# KiCad board default.kicad_pcb
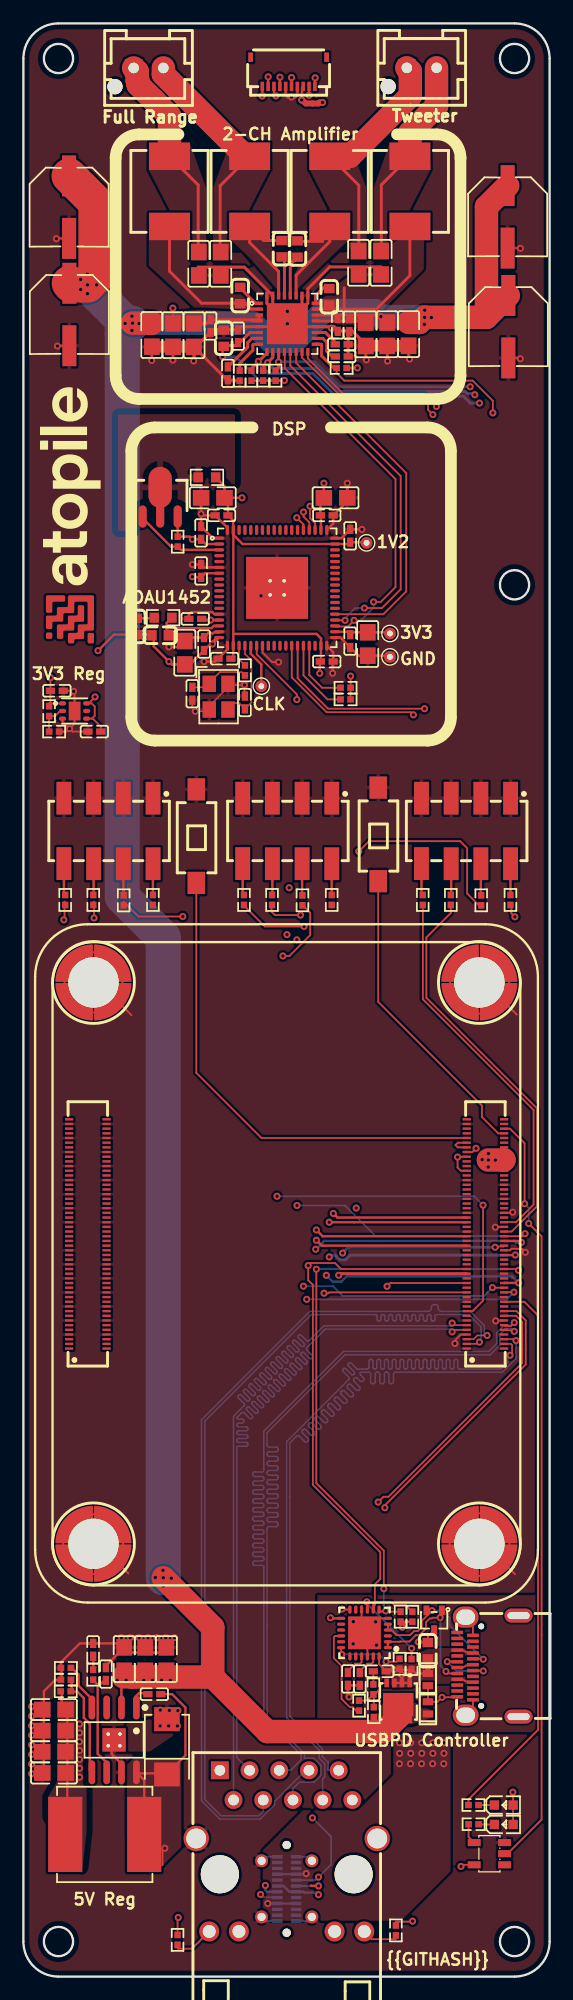
[diagram p0: board, top side]
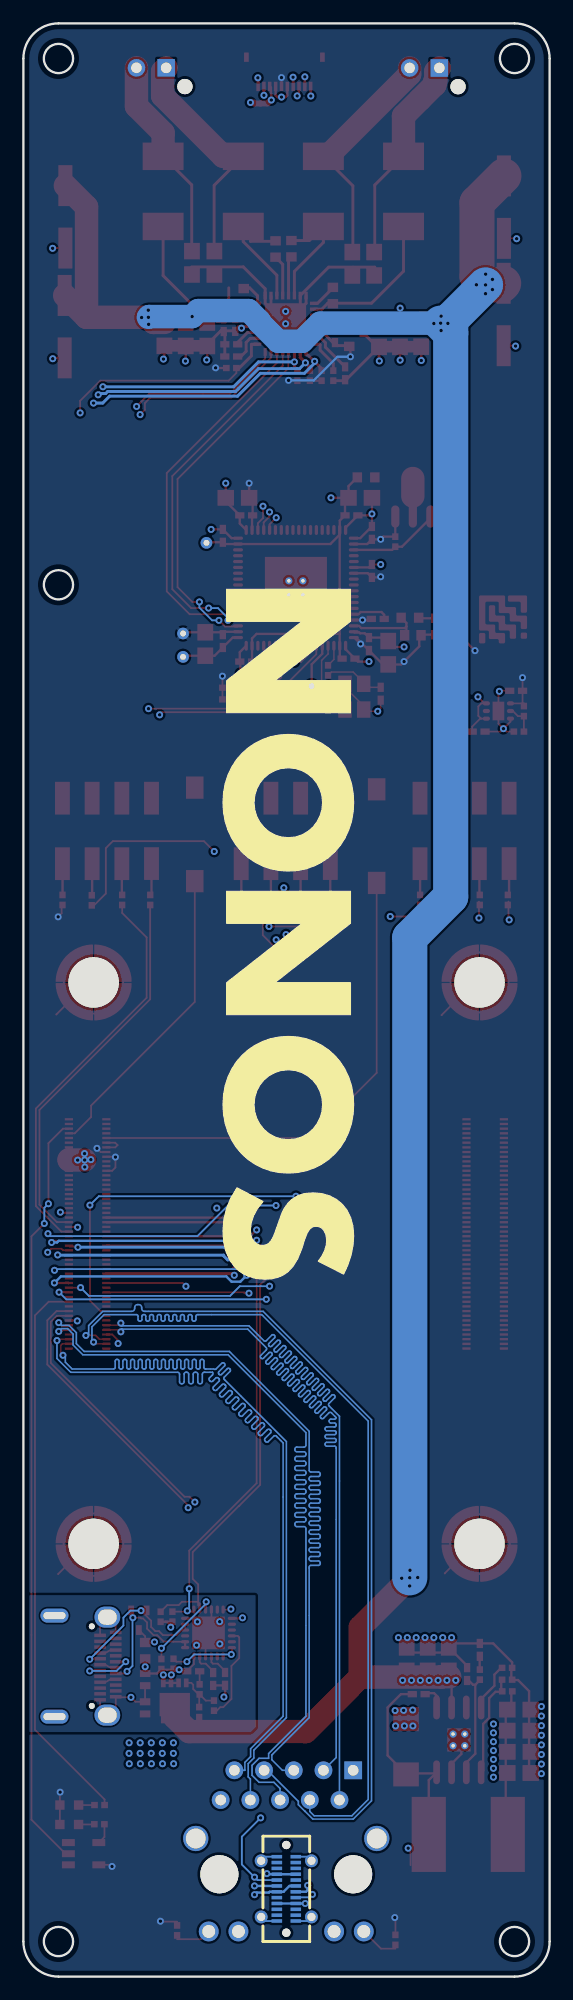
[diagram p1: board, bottom side, seen from below]

Outline 45 x 167 mm; copper layers: Top, In1.Cu, In2.Cu, Bottom. Coordinates in mm from the lower left corner of the outline.
Outline path: circle c3,164 r1.25 ; circle c3,3 r1.25 ; circle c42,164 r1.25 ; circle c42,119 r1.25 ; circle c42,3 r1.25 ; 0,164 0,3 arc(0.88,0.88) 3,0 42,0 arc(44.12,0.88) 45,3 45,164 arc(44.12,166.12) 42,167 3,167 arc(0.88,166.12) 0,164
Stack: Top 0.035mm / dielectric 0.1mm FR4 er 4.5 / In1.Cu 0.035mm / dielectric 1.24mm FR4 er 4.5 / In2.Cu 0.035mm / dielectric 0.1mm FR4 er 4.5 / Bottom 0.035mm

## Placement (name value [footprint] x y rotation side)
C1  1µF ±10% 25V X5R  [C0402]  27.22 139.56 0 top
C2  4.7µF ±10% 16V X5R  [C0603]  17.13 140.08 90 top
C3  100nF ±10% 16V X7R  [C0402]  18.36 140.26 90 top
C4  1µF ±10% 25V X5R  [C0402]  27.23 138.52 0 top
C5  470nF ±10% 50V X7R  [C0603]  22.08 147.73 90 top
C6  470nF ±10% 50V X7R  [C0603]  18.54 143.73 270 top
C7  680nF ±10% 50V X7R  [C0805]  16.87 146.45 270 top
C8  680nF ±10% 50V X7R  [C0805]  15 146.45 270 top
C9  470nF ±10% 50V X7R  [C0603]  23.44 147.71 90 top
C10  470nF ±10% 50V X7R  [C0603]  26.16 143.63 270 top
C11  680nF ±10% 50V X7R  [C0805]  28.67 146.53 270 top
C12  680nF ±10% 50V X7R  [C0805]  30.59 146.53 270 top
C13  10µF ±10% 25V X5R  [C0805]  12.8 140.35 270 top
C14  10µF ±10% 25V X5R  [C0805]  14.59 140.34 270 top
C15  10µF ±10% 25V X5R  [C0805]  29.27 140.42 270 top
C16  10µF ±10% 25V X5R  [C0805]  10.98 140.36 270 top
C17  10µF ±10% 25V X5R  [C0805]  31.12 140.42 270 top
C18  10µF ±10% 25V X5R  [C0805]  32.94 140.43 270 top
C19  1µF ±10% 25V X5R  [C0402]  17.49 137.09 270 top
C20  100nF ±10% 50V X7R  [C0402]  11.19 24.15 0 top
C21  1µF ±10% 25V X5R  [C0402]  6.07 106.45 180 top
C22  1µF ±10% 25V X5R  [C0402]  2.86 109.94 0 top
C23  4.7nF ±5% 50V X7R  [C0402]  5.96 27.94 90 top
C24  20pF ±5% 50V C0G  [C0402]  7.05 25.87 90 top
C25  10µF ±10% 50V X5R  [C0805]  12.22 27.15 90 top
C26  10µF ±10% 50V X5R  [C0805]  10.42 27.15 90 top
C27  10µF ±10% 50V X5R  [C0805]  8.62 27.15 90 top
C28  22µF ±20% 25V X5R  [C0805]  2.61 17.41 180 top
C29  22µF ±20% 25V X5R  [C0805]  2.61 19.22 180 top
C30  4.7µF ±10% 35V X5R  [C0603]  34.58 27.86 270 top
C31  1µF ±10% 25V X5R  [C0402]  27.75 25.45 90 top
C32  1µF ±10% 25V X5R  [C0402]  28.77 25.45 90 top
C33  100nF ±10% 16V X7R  [C0402]  30.47 26.1 0 top
C34  10µF ±10% 25V X5R  [C0805]  29.45 113.94 270 top
C35  10µF ±10% 25V X5R  [C0805]  26.7 126.44 0 top
C36  10µF ±10% 25V X5R  [C0805]  16.2 126.44 180 top
C37  10µF ±10% 25V X5R  [C0805]  13.8 113.19 90 top
C38  100nF ±10% 16V X7R  [C0402]  27.95 114.19 270 top
C39  100nF ±10% 16V X7R  [C0402]  16.95 124.94 180 top
C40  100nF ±10% 16V X7R  [C0402]  17.2 112.69 180 top
C41  100nF ±10% 16V X7R  [C0402]  25.95 112.44 0 top
C42  100nF ±10% 16V X7R  [C0402]  27.95 123.19 90 top
C43  100nF ±10% 16V X7R  [C0402]  15.2 123.44 90 top
C44  100nF ±10% 16V X7R  [C0402]  15.2 120.19 90 top
C45  100nF ±10% 16V X7R  [C0402]  14.7 116.09 180 top
C46  100nF ±10% 16V X7R  [C0402]  15.45 113.94 90 top
C47  100nF ±10% 16V X7R  [C0402]  25.95 124.94 0 top
C48  15pF ±5% 50V C0G  [C0402]  14.45 109.69 270 top
C49  15pF ±5% 50V C0G  [C0402]  18.95 108.94 90 top
C50  5.6nF ±10% 50V X7R  [C0603]  9.7 115.44 270 top
C51  150pF ±5% 50V C0G  [C0603]  11.7 114.69 180 top
C52  22µF ±20% 25V X5R  [C0805]  2.61 21.03 180 top
C53  100nF ±10% 16V X7R  [C0402]  27.87 141.2 270 top
C54  100nF ±10% 16V X7R  [C0402]  16 141.13 270 top
C55  100nF ±10% 16V X7R  [C0402]  26.88 141.22 270 top
C56  -  [CAP-SMD_BD6.3-L6.6-W6.6-FD]  3.93 142.11 270 top
C57  -  [CAP-SMD_BD6.3-L6.6-W6.6-FD]  3.91 151.29 270 top
C58  -  [CAP-SMD_BD6.3-L6.6-W6.6-FD]  41.47 141.07 270 top
C59  -  [CAP-SMD_BD6.3-L6.6-W6.6-FD]  41.41 150.46 270 top
C60  22µF ±20% 25V X5R  [C0805]  2.61 22.83 180 top
CN1  -  [CONN-SMD_DF40C-100DS-0.4V-51]  39.51 63.5 270 top
CN2  -  [CONN-SMD_DF40C-100DS-0.4V-51]  5.51 63.5 270 top
D1  -  [LED0603-RD-YELLOW]  41.08 14.67 0 top
D2  -  [LED0603-RD]  41.08 13.01 0 top
D3  -  [SMB_L4.6-W3.6-LS5.3-RD]  12.27 19.65 90 top
D4  -  [SOT-323-3_L2.1-W1.3-P1.32-LS2.1-BR]  35.13 30.47 90 top
D5  -  [DFN1610-2_L1.6-W1.0-P1.05-RD]  34.59 25.39 270 top
D6  -  [DFN1610-2_L1.6-W1.0-P1.05-RD]  34.6 22.98 90 top
FPC1  -  [FPC-SMD_10P-P0.50_HDGC_0.5K-HX-10PWB]  22.68 162.86 180 top
HDR1  -  [HDR-SMD_8P-P2.54-V-M-R2-C4-LS7.4]  37.85 97.95 180 top
HDR2  -  [HDR-SMD_8P-P2.54-V-M-R2-C4-LS7.4]  22.56 97.95 180 top
HDR3  -  [HDR-SMD_8P-P2.54-V-M-R2-C4-LS7.4]  7.28 97.95 180 top
L1  10µH ±20% 4.5A 68mΩ  [IND-SMD_L7.3-W6.8]  19.35 152.64 90 top
L2  10µH ±20% 4.5A 68mΩ  [IND-SMD_L7.3-W6.8]  12.49 152.64 90 top
L3  10µH ±20% 4.5A 68mΩ  [IND-SMD_L7.3-W6.8]  26.2 152.64 90 top
L4  10µH ±20% 4.5A 68mΩ  [IND-SMD_L7.3-W6.8]  33.05 152.64 90 top
L5  -  [IND-SMD_L8.0-W8.0_SWPA8040S]  6.95 12.16 0 top
Q1  -  [PDFN3333-8_L3.1-W3.2-P0.65-LS3.4-BL]  32.06 23.58 180 top
Q2  -  [SOT-89-3_L4.5-W2.5-P1.50-LS4.1-TR]  11.7 126.09 270 top
R1  4.7kΩ ±1% 62.5mW  [R0402]  18.5 136.88 270 top
R2  10kΩ ±1% 62.5mW  [R0402]  19.5 136.88 270 top
R3  10kΩ ±1% 62.5mW  [R0402]  20.5 136.89 270 top
R4  10kΩ ±1% 62.5mW  [R0402]  27.21 137.53 0 top
R5  10kΩ ±1% 62.5mW  [R0402]  21.57 136.88 270 top
R6  2kΩ ±1% 62.5mW  [R0402]  38.49 14.67 180 top
R7  2kΩ ±1% 62.5mW  [R0402]  38.5 13.03 180 top
R8  470Ω ±1% 62.5mW  [R0402]  13.19 3.14 270 top
R9  470Ω ±1% 62.5mW  [R0402]  31.85 3.95 270 top
R10  23.7kΩ ±1% 62.5mW  [R0402]  5.96 25.82 90 top
R11  1kΩ ±1% 62.5mW  [R0402]  41.65 92.05 90 top
R12  1kΩ ±1% 62.5mW  [R0402]  39.15 92.02 90 top
R13  162kΩ ±1% 62.5mW  [R0402]  3.63 26.4 180 top
R14  1kΩ ±1% 62.5mW  [R0402]  33.19 26.72 90 top
R15  4.7kΩ ±1% 62.5mW  [R0402]  32.26 30.78 270 top
R16  4.7kΩ ±1% 62.5mW  [R0402]  33.26 30.77 270 top
R17  1kΩ ±1% 62.5mW  [R0402]  32.17 26.75 90 top
R18  100kΩ ±1% 62.5mW  [R0402]  29.96 22.61 270 top
R19  22kΩ ±1% 62.5mW  [R0402]  28.7 23.17 270 top
R20  100Ω ±1% 62.5mW  [R0402]  29.93 24.56 90 top
R21  100Ω ±1% 62.5mW  [R0402]  18.95 111.69 270 top
R22  0Ω 100mW  [R0603]  15.7 128.19 0 top
R23  4.3kΩ ±1% 100mW  [R0603]  11.95 116.19 180 top
R24  1kΩ ±1% 62.5mW  [R0402]  13.2 122.69 270 top
R25  1kΩ ±1% 62.5mW  [R0402]  36.55 92.05 90 top
R26  1kΩ ±1% 62.5mW  [R0402]  34.15 92.05 90 top
R27  1kΩ ±1% 62.5mW  [R0402]  26.36 92.05 90 top
R28  1kΩ ±1% 62.5mW  [R0402]  23.86 92.02 90 top
R29  1kΩ ±1% 62.5mW  [R0402]  21.26 92.05 90 top
R30  1kΩ ±1% 62.5mW  [R0402]  18.86 92.05 90 top
R31  1kΩ ±1% 62.5mW  [R0402]  11.08 92.05 90 top
R32  1kΩ ±1% 62.5mW  [R0402]  8.58 92.02 90 top
R33  1kΩ ±1% 62.5mW  [R0402]  5.98 92.05 90 top
R34  1kΩ ±1% 62.5mW  [R0402]  3.58 92.05 90 top
R35  10kΩ ±1% 62.5mW  [R0402]  2.63 106.45 0 top
R36  47kΩ ±1% 62.5mW  [R0402]  2.2 108.2 270 top
R37  10kΩ ±1% 62.5mW  [R0402]  3.63 25.39 180 top
R38  54.9kΩ ±1% 62.5mW  [R0402]  3.62 24.39 0 top
R40  10kΩ ±1% 62.5mW  [R0402]  27.55 110.2 0 top
R41  10kΩ ±1% 62.5mW  [R0402]  27.55 109.2 0 top
RJ1  -  [RJ45-TH_HR911130A]  22.52 10.75 180 top
SW1  -  [SW-SMD_L6.0-W3.3-LS8.0]  30.34 97.66 90 top
SW2  -  [SW-SMD_L6.0-W3.3-LS8.0]  14.79 97.51 90 top
TP1  -  [TestPoint_THTPad_D1.0mm_Drill0.5mm]  20.35 110.34 0 top
TP2  -  [TestPoint_THTPad_D1.0mm_Drill0.5mm]  31.35 112.84 0 top
TP3  -  [TestPoint_THTPad_D1.0mm_Drill0.5mm]  31.35 114.84 0 top
TP4  -  [TestPoint_THTPad_D1.0mm_Drill0.5mm]  29.35 122.59 0 top
U1  -  [VQFN-32_L5.0-W5.0-P0.50-TL-EP]  22.57 141.32 0 top
U2  -  [SOT-23-5_L3.0-W1.7-P0.95-LS2.8-BR]  39.85 10.51 0 top
U3  -  [SMD_BD5.6-D4.1]  6 37 270 top
U4  -  [SMD_BD5.6-D4.1]  6 85 270 top
U5  -  [SMD_BD5.6-D4.1]  39 85 270 top
U6  -  [SMD_BD5.6-D4.1]  39 37 270 top
U7  -  [SOIC-8_L5.0-W4.0-P1.27-LS6.0-BL-EP2.0]  7.75 20.24 180 top
U20  -  [QFN-24_L4.0-W4.0-P0.50-BL-EP2.8]  29.17 29.38 90 top
U21  -  [CONN-TH_B02B-XASK-1-A-LF-SN]  10.7 163.19 180 top
U22  -  [CONN-TH_B02B-XASK-1-A-LF-SN]  34.06 163.2 180 top
U23  -  [USB-C-SMD_HC-TYPE-C-24P-VS9.3-5A-F1.1-04]  22.52 7.5 270 bottom
U24  -  [LFCSP-72_L10.0-W10.0-P0.50-LS10.2-BL-EP5.3]  21.7 118.74 270 top
U25  -  [WSON-6_L2.0-W2.0-P0.65-TL-EP]  4.38 108.21 0 top
USB1  -  [USB-C-SMD_TYC-324G]  39.72 26.55 90 top
X1  -  [CRYSTAL-SMD_4P-L3.2-W2.5-BL-2]  16.7 109.44 270 top

## Library data of the parts
C1 = -: Datasheet: https://www.lcsc.com/datasheet/lcsc_datasheet_2304140030_Samsung-Electro-Mechanics-CL05A105KA5NQNC_C52923.pdf; checksum: 677b044a940a76be4759065f32eecd53a59c7d5bcb0f9d3131138b8639f17c49; __atopile_lib_fp_hash__: bf30c9fd-42fa-ac38-d55b-db94c6058076; LCSC: C52923; Manufacturer: Samsung Electro-Mechanics; Partnumber: CL05A105KA5NQNC; PARAM_capacitance: {"type": "Quantity_Interval_Disjoint", "data": {"intervals": {"type": "Numeric_Interval_Disjoint", "data": {"intervals": [{"type": "Numeric_Interval", "data": {"min": 8.99999999e-07, "max": 1.100000001e-06}}]}}, "unit": "farad"}}; PARAM_max_voltage: {"type": "Quantity_Set_Discrete", "data": {"intervals": {"type": "Numeric_Interval_Disjoint", "data": {"intervals": [{"type": "Numeric_Interval", "data": {"min": 25.0, "max": 25.0}}]}}, "unit": "volt"}}; PARAM_temperature_coefficient: {"type": "EnumSet", "data": {"elements": [{"name": "X5R"}], "enum": {"name": "TemperatureCoefficient", "values": {"Y5V": 1, "Z5U": 2, "X7S": 3, "X5R": 4, "X6R": 5, "X7R": 6, "X8R": 7, "C0G": 8}}}}; atopile_address: amplifier.avdd_cap; atopile_subaddresses: [.ato/modules/atopile/ti-tas5825mrhbr/layouts/default/default.kicad_pcb:avdd_cap]
C2 = -: Datasheet: https://www.lcsc.com/datasheet/lcsc_datasheet_2304140030_Samsung-Electro-Mechanics-CL10A475KO8NNNC_C19666.pdf; checksum: 84155eaed448cc40a09a4befaad321421f6bc89db2e267e09dbdd86133b86a08; __atopile_lib_fp_hash__: a329d21f-ceaf-c9cb-0aff-b7fe64ef2003; LCSC: C19666; Manufacturer: Samsung Electro-Mechanics; Partnumber: CL10A475KO8NNNC; PARAM_capacitance: {"type": "Quantity_Interval_Disjoint", "data": {"intervals": {"type": "Numeric_Interval_Disjoint", "data": {"intervals": [{"type": "Numeric_Interval", "data": {"min": 4.229999993e-06, "max": 5.170000007e-06}}]}}, "unit": "farad"}}; PARAM_max_voltage: {"type": "Quantity_Set_Discrete", "data": {"intervals": {"type": "Numeric_Interval_Disjoint", "data": {"intervals": [{"type": "Numeric_Interval", "data": {"min": 16.0, "max": 16.0}}]}}, "unit": "volt"}}; PARAM_temperature_coefficient: {"type": "EnumSet", "data": {"elements": [{"name": "X5R"}], "enum": {"name": "TemperatureCoefficient", "values": {"Y5V": 1, "Z5U": 2, "X7S": 3, "X5R": 4, "X6R": 5, "X7R": 6, "X8R": 7, "C0G": 8}}}}; atopile_address: amplifier.dvdd_caps[0]; atopile_subaddresses: [.ato/modules/atopile/ti-tas5825mrhbr/layouts/default/default.kicad_pcb:dvdd_caps[0]]
C3 = -: Datasheet: https://www.lcsc.com/datasheet/lcsc_datasheet_2304140030_Samsung-Electro-Mechanics-CL05B104KO5NNNC_C1525.pdf; checksum: f44defb5d0b15709affa4e668c343aa5b66387b7b77dbacc33fdf9ee361d8b21; __atopile_lib_fp_hash__: 67d786e5-5646-2efc-51a4-54c2d5086318; LCSC: C1525; Manufacturer: Samsung Electro-Mechanics; Partnumber: CL05B104KO5NNNC; PARAM_capacitance: {"type": "Quantity_Interval_Disjoint", "data": {"intervals": {"type": "Numeric_Interval_Disjoint", "data": {"intervals": [{"type": "Numeric_Interval", "data": {"min": 9e-08, "max": 1.1e-07}}]}}, "unit": "farad"}}; PARAM_max_voltage: {"type": "Quantity_Set_Discrete", "data": {"intervals": {"type": "Numeric_Interval_Disjoint", "data": {"intervals": [{"type": "Numeric_Interval", "data": {"min": 16.0, "max": 16.0}}]}}, "unit": "volt"}}; PARAM_temperature_coefficient: {"type": "EnumSet", "data": {"elements": [{"name": "X7R"}], "enum": {"name": "TemperatureCoefficient", "values": {"Y5V": 1, "Z5U": 2, "X7S": 3, "X5R": 4, "X6R": 5, "X7R": 6, "X8R": 7, "C0G": 8}}}}; atopile_address: amplifier.dvdd_caps[1]; atopile_subaddresses: [.ato/modules/atopile/ti-tas5825mrhbr/layouts/default/default.kicad_pcb:dvdd_caps[1]]
C4 = -: Datasheet: https://www.lcsc.com/datasheet/lcsc_datasheet_2304140030_Samsung-Electro-Mechanics-CL05A105KA5NQNC_C52923.pdf; checksum: 677b044a940a76be4759065f32eecd53a59c7d5bcb0f9d3131138b8639f17c49; __atopile_lib_fp_hash__: bf30c9fd-42fa-ac38-d55b-db94c6058076; LCSC: C52923; Manufacturer: Samsung Electro-Mechanics; Partnumber: CL05A105KA5NQNC; PARAM_capacitance: {"type": "Quantity_Interval_Disjoint", "data": {"intervals": {"type": "Numeric_Interval_Disjoint", "data": {"intervals": [{"type": "Numeric_Interval", "data": {"min": 8.99999999e-07, "max": 1.100000001e-06}}]}}, "unit": "farad"}}; PARAM_max_voltage: {"type": "Quantity_Set_Discrete", "data": {"intervals": {"type": "Numeric_Interval_Disjoint", "data": {"intervals": [{"type": "Numeric_Interval", "data": {"min": 25.0, "max": 25.0}}]}}, "unit": "volt"}}; PARAM_temperature_coefficient: {"type": "EnumSet", "data": {"elements": [{"name": "X5R"}], "enum": {"name": "TemperatureCoefficient", "values": {"Y5V": 1, "Z5U": 2, "X7S": 3, "X5R": 4, "X6R": 5, "X7R": 6, "X8R": 7, "C0G": 8}}}}; atopile_address: amplifier.gvdd_cap; atopile_subaddresses: [.ato/modules/atopile/ti-tas5825mrhbr/layouts/default/default.kicad_pcb:gvdd_cap]
C5 = -: Datasheet: https://wmsc.lcsc.com/wmsc/upload/file/pdf/v2/lcsc/2304140030_YAGEO-CC0603KRX7R9BB474_C513577.pdf; checksum: 4b2e436de2f03ead3b40567904212e0185c44437c32406a296e9d8896faaff25; __atopile_lib_fp_hash__: 2fce413c-cace-daef-8202-032f3015d4fd; LCSC: C513577; Manufacturer: YAGEO; Partnumber: CC0603KRX7R9BB474; PARAM_capacitance: {"type": "Quantity_Interval_Disjoint", "data": {"intervals": {"type": "Numeric_Interval_Disjoint", "data": {"intervals": [{"type": "Numeric_Interval", "data": {"min": 4.22999999e-07, "max": 5.17000001e-07}}]}}, "unit": "farad"}}; PARAM_max_voltage: {"type": "Quantity_Set_Discrete", "data": {"intervals": {"type": "Numeric_Interval_Disjoint", "data": {"intervals": [{"type": "Numeric_Interval", "data": {"min": 50.0, "max": 50.0}}]}}, "unit": "volt"}}; PARAM_temperature_coefficient: {"type": "EnumSet", "data": {"elements": [{"name": "X7R"}], "enum": {"name": "TemperatureCoefficient", "values": {"Y5V": 1, "Z5U": 2, "X7S": 3, "X5R": 4, "X6R": 5, "X7R": 6, "X8R": 7, "C0G": 8}}}}; atopile_address: amplifier.output_stage_a.bootstrap_neg; atopile_subaddresses: [.ato/modules/atopile/ti-tas5825mrhbr/layouts/default/default.kicad_pcb:output_stage_a.bootstrap_neg]
C6 = -: Datasheet: https://wmsc.lcsc.com/wmsc/upload/file/pdf/v2/lcsc/2304140030_YAGEO-CC0603KRX7R9BB474_C513577.pdf; checksum: 4b2e436de2f03ead3b40567904212e0185c44437c32406a296e9d8896faaff25; __atopile_lib_fp_hash__: 2fce413c-cace-daef-8202-032f3015d4fd; LCSC: C513577; Manufacturer: YAGEO; Partnumber: CC0603KRX7R9BB474; PARAM_capacitance: {"type": "Quantity_Interval_Disjoint", "data": {"intervals": {"type": "Numeric_Interval_Disjoint", "data": {"intervals": [{"type": "Numeric_Interval", "data": {"min": 4.22999999e-07, "max": 5.17000001e-07}}]}}, "unit": "farad"}}; PARAM_max_voltage: {"type": "Quantity_Set_Discrete", "data": {"intervals": {"type": "Numeric_Interval_Disjoint", "data": {"intervals": [{"type": "Numeric_Interval", "data": {"min": 50.0, "max": 50.0}}]}}, "unit": "volt"}}; PARAM_temperature_coefficient: {"type": "EnumSet", "data": {"elements": [{"name": "X7R"}], "enum": {"name": "TemperatureCoefficient", "values": {"Y5V": 1, "Z5U": 2, "X7S": 3, "X5R": 4, "X6R": 5, "X7R": 6, "X8R": 7, "C0G": 8}}}}; atopile_address: amplifier.output_stage_a.bootstrap_pos; atopile_subaddresses: [.ato/modules/atopile/ti-tas5825mrhbr/layouts/default/default.kicad_pcb:output_stage_a.bootstrap_pos]
C7 = -: Datasheet: https://www.lcsc.com/datasheet/lcsc_datasheet_2304140030_YAGEO-CC0805KKX7R9BB684_C107133.pdf; checksum: 904b7ec1318f1dc1b4b9d99d26865420efa339c6794094b46b7f64d15c71f4b8; __atopile_lib_fp_hash__: 29f2c4d1-0347-1c95-ff6e-6a751f029c52; LCSC: C107133; Manufacturer: YAGEO; Partnumber: CC0805KKX7R9BB684; PARAM_capacitance: {"type": "Quantity_Interval_Disjoint", "data": {"intervals": {"type": "Numeric_Interval_Disjoint", "data": {"intervals": [{"type": "Numeric_Interval", "data": {"min": 6.11999999e-07, "max": 7.48000001e-07}}]}}, "unit": "farad"}}; PARAM_max_voltage: {"type": "Quantity_Set_Discrete", "data": {"intervals": {"type": "Numeric_Interval_Disjoint", "data": {"intervals": [{"type": "Numeric_Interval", "data": {"min": 50.0, "max": 50.0}}]}}, "unit": "volt"}}; PARAM_temperature_coefficient: {"type": "EnumSet", "data": {"elements": [{"name": "X7R"}], "enum": {"name": "TemperatureCoefficient", "values": {"Y5V": 1, "Z5U": 2, "X7S": 3, "X5R": 4, "X6R": 5, "X7R": 6, "X8R": 7, "C0G": 8}}}}; atopile_address: amplifier.output_stage_a.output_cap_neg; atopile_subaddresses: [.ato/modules/atopile/ti-tas5825mrhbr/layouts/default/default.kicad_pcb:output_stage_a.output_cap_neg]
C8 = -: Datasheet: https://www.lcsc.com/datasheet/lcsc_datasheet_2304140030_YAGEO-CC0805KKX7R9BB684_C107133.pdf; checksum: 904b7ec1318f1dc1b4b9d99d26865420efa339c6794094b46b7f64d15c71f4b8; __atopile_lib_fp_hash__: 29f2c4d1-0347-1c95-ff6e-6a751f029c52; LCSC: C107133; Manufacturer: YAGEO; Partnumber: CC0805KKX7R9BB684; PARAM_capacitance: {"type": "Quantity_Interval_Disjoint", "data": {"intervals": {"type": "Numeric_Interval_Disjoint", "data": {"intervals": [{"type": "Numeric_Interval", "data": {"min": 6.11999999e-07, "max": 7.48000001e-07}}]}}, "unit": "farad"}}; PARAM_max_voltage: {"type": "Quantity_Set_Discrete", "data": {"intervals": {"type": "Numeric_Interval_Disjoint", "data": {"intervals": [{"type": "Numeric_Interval", "data": {"min": 50.0, "max": 50.0}}]}}, "unit": "volt"}}; PARAM_temperature_coefficient: {"type": "EnumSet", "data": {"elements": [{"name": "X7R"}], "enum": {"name": "TemperatureCoefficient", "values": {"Y5V": 1, "Z5U": 2, "X7S": 3, "X5R": 4, "X6R": 5, "X7R": 6, "X8R": 7, "C0G": 8}}}}; atopile_address: amplifier.output_stage_a.output_cap_pos; atopile_subaddresses: [.ato/modules/atopile/ti-tas5825mrhbr/layouts/default/default.kicad_pcb:output_stage_a.output_cap_pos]
C9 = -: Datasheet: https://wmsc.lcsc.com/wmsc/upload/file/pdf/v2/lcsc/2304140030_YAGEO-CC0603KRX7R9BB474_C513577.pdf; checksum: 4b2e436de2f03ead3b40567904212e0185c44437c32406a296e9d8896faaff25; __atopile_lib_fp_hash__: 2fce413c-cace-daef-8202-032f3015d4fd; LCSC: C513577; Manufacturer: YAGEO; Partnumber: CC0603KRX7R9BB474; PARAM_capacitance: {"type": "Quantity_Interval_Disjoint", "data": {"intervals": {"type": "Numeric_Interval_Disjoint", "data": {"intervals": [{"type": "Numeric_Interval", "data": {"min": 4.22999999e-07, "max": 5.17000001e-07}}]}}, "unit": "farad"}}; PARAM_max_voltage: {"type": "Quantity_Set_Discrete", "data": {"intervals": {"type": "Numeric_Interval_Disjoint", "data": {"intervals": [{"type": "Numeric_Interval", "data": {"min": 50.0, "max": 50.0}}]}}, "unit": "volt"}}; PARAM_temperature_coefficient: {"type": "EnumSet", "data": {"elements": [{"name": "X7R"}], "enum": {"name": "TemperatureCoefficient", "values": {"Y5V": 1, "Z5U": 2, "X7S": 3, "X5R": 4, "X6R": 5, "X7R": 6, "X8R": 7, "C0G": 8}}}}; atopile_address: amplifier.output_stage_b.bootstrap_neg; atopile_subaddresses: [.ato/modules/atopile/ti-tas5825mrhbr/layouts/default/default.kicad_pcb:output_stage_b.bootstrap_neg]
C10 = -: Datasheet: https://wmsc.lcsc.com/wmsc/upload/file/pdf/v2/lcsc/2304140030_YAGEO-CC0603KRX7R9BB474_C513577.pdf; checksum: 4b2e436de2f03ead3b40567904212e0185c44437c32406a296e9d8896faaff25; __atopile_lib_fp_hash__: 2fce413c-cace-daef-8202-032f3015d4fd; LCSC: C513577; Manufacturer: YAGEO; Partnumber: CC0603KRX7R9BB474; PARAM_capacitance: {"type": "Quantity_Interval_Disjoint", "data": {"intervals": {"type": "Numeric_Interval_Disjoint", "data": {"intervals": [{"type": "Numeric_Interval", "data": {"min": 4.22999999e-07, "max": 5.17000001e-07}}]}}, "unit": "farad"}}; PARAM_max_voltage: {"type": "Quantity_Set_Discrete", "data": {"intervals": {"type": "Numeric_Interval_Disjoint", "data": {"intervals": [{"type": "Numeric_Interval", "data": {"min": 50.0, "max": 50.0}}]}}, "unit": "volt"}}; PARAM_temperature_coefficient: {"type": "EnumSet", "data": {"elements": [{"name": "X7R"}], "enum": {"name": "TemperatureCoefficient", "values": {"Y5V": 1, "Z5U": 2, "X7S": 3, "X5R": 4, "X6R": 5, "X7R": 6, "X8R": 7, "C0G": 8}}}}; atopile_address: amplifier.output_stage_b.bootstrap_pos; atopile_subaddresses: [.ato/modules/atopile/ti-tas5825mrhbr/layouts/default/default.kicad_pcb:output_stage_b.bootstrap_pos]
C11 = -: Datasheet: https://www.lcsc.com/datasheet/lcsc_datasheet_2304140030_YAGEO-CC0805KKX7R9BB684_C107133.pdf; checksum: 904b7ec1318f1dc1b4b9d99d26865420efa339c6794094b46b7f64d15c71f4b8; __atopile_lib_fp_hash__: 29f2c4d1-0347-1c95-ff6e-6a751f029c52; LCSC: C107133; Manufacturer: YAGEO; Partnumber: CC0805KKX7R9BB684; PARAM_capacitance: {"type": "Quantity_Interval_Disjoint", "data": {"intervals": {"type": "Numeric_Interval_Disjoint", "data": {"intervals": [{"type": "Numeric_Interval", "data": {"min": 6.11999999e-07, "max": 7.48000001e-07}}]}}, "unit": "farad"}}; PARAM_max_voltage: {"type": "Quantity_Set_Discrete", "data": {"intervals": {"type": "Numeric_Interval_Disjoint", "data": {"intervals": [{"type": "Numeric_Interval", "data": {"min": 50.0, "max": 50.0}}]}}, "unit": "volt"}}; PARAM_temperature_coefficient: {"type": "EnumSet", "data": {"elements": [{"name": "X7R"}], "enum": {"name": "TemperatureCoefficient", "values": {"Y5V": 1, "Z5U": 2, "X7S": 3, "X5R": 4, "X6R": 5, "X7R": 6, "X8R": 7, "C0G": 8}}}}; atopile_address: amplifier.output_stage_b.output_cap_neg; atopile_subaddresses: [.ato/modules/atopile/ti-tas5825mrhbr/layouts/default/default.kicad_pcb:output_stage_b.output_cap_neg]
C12 = -: Datasheet: https://www.lcsc.com/datasheet/lcsc_datasheet_2304140030_YAGEO-CC0805KKX7R9BB684_C107133.pdf; checksum: 904b7ec1318f1dc1b4b9d99d26865420efa339c6794094b46b7f64d15c71f4b8; __atopile_lib_fp_hash__: 29f2c4d1-0347-1c95-ff6e-6a751f029c52; LCSC: C107133; Manufacturer: YAGEO; Partnumber: CC0805KKX7R9BB684; PARAM_capacitance: {"type": "Quantity_Interval_Disjoint", "data": {"intervals": {"type": "Numeric_Interval_Disjoint", "data": {"intervals": [{"type": "Numeric_Interval", "data": {"min": 6.11999999e-07, "max": 7.48000001e-07}}]}}, "unit": "farad"}}; PARAM_max_voltage: {"type": "Quantity_Set_Discrete", "data": {"intervals": {"type": "Numeric_Interval_Disjoint", "data": {"intervals": [{"type": "Numeric_Interval", "data": {"min": 50.0, "max": 50.0}}]}}, "unit": "volt"}}; PARAM_temperature_coefficient: {"type": "EnumSet", "data": {"elements": [{"name": "X7R"}], "enum": {"name": "TemperatureCoefficient", "values": {"Y5V": 1, "Z5U": 2, "X7S": 3, "X5R": 4, "X6R": 5, "X7R": 6, "X8R": 7, "C0G": 8}}}}; atopile_address: amplifier.output_stage_b.output_cap_pos; atopile_subaddresses: [.ato/modules/atopile/ti-tas5825mrhbr/layouts/default/default.kicad_pcb:output_stage_b.output_cap_pos]